# KiCad board RSTU.kicad_pcb (continued)
## Routing (per net, layer and track width the routed paths; a pad name or vN(x,y) marks a point on that pad's centre or on a via; arc(x,y) is an arc through that point) (continued)
P503_11: length 122.6
  Top w0.25: v1(219.16,6.59) 219.16,7.48 220.56,8.88 220.56,30.85 219.54,31.86 219.54,37.45 220.56,38.47 220.56,51.04 221.32,51.8 v1(221.32,56.63)
  Bottom w0.25: v1(221.32,56.63) 221.32,56.25 220.17,55.1 199.73,55.1 197.82,57.01 184.87,57.01 184.11,57.77 183.72,57.77 182.71,58.79 182.58,58.79 182.58,59.55 U30.6 ; v1(219.16,6.59) 219.03,6.59 217.89,5.45 210.01,5.45 209.89,5.57 193.76,5.57 J_K503.11
P503_12: length 49.5
  Top w0.25: J_K503.12 194.65,12.3 v1(194.77,12.43) ; v1(213.95,11.8) 213.7,12.05 213.7,30.21 214.97,31.48 U35.8
  Bottom w0.25: v1(213.95,11.8) 213.7,12.05 195.16,12.05 v1(194.77,12.43)
P503_13: length 36.4
  Top w0.25: U35.6 212.43,25.64 212.3,25.51 212.17,25.51 211.03,24.37 211.03,19.16 210.27,18.4 210.52,18.15 210.52,10.4 v1(210.78,10.15) ; J_K503.13 v1(197.19,10.53)
  Bottom w0.25: v1(197.19,10.53) 197.44,10.27 210.65,10.27 v1(210.78,10.15)
P503_14: length 24.6
  Top w0.25: v1(203.54,8.62) 203.54,24.75 204.81,26.02 U35.3
  Bottom w0.25: v1(203.54,8.62) 201.12,8.62 J_K503.14
P503_15: length 163.5
  Top w0.25: U29.2 94.31,9.64 94.06,9.89 95.59,11.41 95.59,19.04 95.21,19.42 v1(95.21,20.31) ; v1(202.65,3.03) 202.27,3.41 J_K503.15 ; v1(80.35,19.67) 80.22,19.8 80.22,37.07 79.2,38.09 79.2,38.73
  Bottom w0.25: v1(95.21,20.31) 94.95,20.56 86.57,20.56 85.68,19.67 v1(80.35,19.67) ; U29.2 96.48,5.32 96.48,5.32 100.54,5.32 100.67,5.45 101.68,4.43 113.24,4.43 113.37,4.56 127.72,4.56 127.84,4.68 162.52,4.68 162.64,4.81 190.46,4.81 191.73,3.54 194.01,3.54 194.39,3.16 202.52,3.16 v1(202.65,3.03)
P503_16: length 54.1
  Top w0.25: U23.9 83.01,45.08 83.01,44.94 82.89,44.82 82.89,34.28 82.76,34.15 v1(82.76,33.01) ; U29.4 99.01,7.49 98.13,8.37 98.13,17.77 98.38,18.02 98.38,29.07 v1(98.51,29.2)
  Bottom w0.25: v1(82.76,33.01) 83.01,33.01 87.08,28.94 96.98,28.94 97.24,29.2 v1(98.51,29.2)
P503_17: length 217.7
  Top w0.25: v1(207.6,3.29) 207.35,3.54 J_K503.17 207.35,17.13 207.47,17.26 207.47,18.02 208.62,19.16 208.62,23.61 211.16,26.15 211.16,29.45 213.57,31.86 213.57,39.99 213.44,40.12 213.44,53.71 212.17,54.98 U33.5 v1(212.17,62.85) ; U29.1 91.77,6.47 94.06,4.18 v1(94.44,4.18)
  Bottom w0.25: U30.10 179.53,67.05 183.6,62.98 212.05,62.98 v1(212.17,62.85) ; v1(94.44,4.18) 95.33,4.18 95.84,3.67 163.91,3.67 164.29,4.05 189.95,4.05 192.36,1.64 205.7,1.64 207.35,3.29 v1(207.6,3.29)
P503_18: length 64.5
  Top w0.25: v1(218.9,57.77) 218.52,57.39 218.52,52.06 219.16,51.42 219.16,39.48 217.51,37.83 217.51,10.91 218.01,10.4 v1(218.01,9.38)
  Bottom w0.25: U33.6 215.35,59.55 215.35,58.91 215.6,58.91 215.98,58.53 216.11,58.53 216.62,58.02 217.38,58.02 217.76,57.64 217.89,57.77 v1(218.9,57.77) ; v1(218.01,9.38) 217.89,9.51 212.55,9.51 211.41,8.37 211.03,8.37 J_K503.18
P503_19: length 163.5
  Top w0.25: v1(107.4,18.91) 107.27,18.78 107.27,16.11 107.01,15.86 U29.8 ; U34.11 217.25,50.91 218.4,49.77 218.4,40.24 216.87,38.72 216.87,24.62 216.11,23.86 216.11,10.91 J_K503.19
  Bottom w0.25: v1(107.4,18.91) 108.29,18.02 108.92,18.02 110.83,16.11 128.1,16.11 130.13,14.08 133.56,14.08 134.32,14.84 155.4,14.84 156.17,14.08 174.83,14.08 177.88,17.13 v1(216.11,17.13)
P503_29: length 72.8
  Top w0.25: J_K503.29 194.65,32.88 191.47,36.05 191.47,63.99 v1(190.46,65.01)
  Bottom w0.25: v1(190.46,65.01) 214.59,65.01 214.71,64.88 216.24,66.41 216.62,66.41 216.62,67.17 U33.8
P503_30: length 160.3
  Top w0.25: v1(182.2,31.73) 182.2,32.62 180.82,34 180.82,46.7 180.8,46.72 180.8,53.96 179.53,55.23 179.53,58.41 179.53,58.41 U30.5 179.53,64.5 180.68,65.64 180.68,66.29 U30.9 ; U28.9 104.73,29.32 103.33,27.92 103.33,21.7 v1(103.46,21.58) ; J_K503.30 192.11,22.84 189.57,25.39 189.57,31.35 v1(189.44,31.48)
  Bottom w0.25: v1(103.46,21.58) 117.81,21.58 117.94,21.7 121.24,18.4 136.1,18.4 137.37,19.67 147.15,19.67 147.78,19.04 156.67,19.04 157.94,20.31 159.59,20.31 160.23,19.67 166.2,19.67 166.45,19.92 167.47,19.92 168.23,20.69 190.96,20.69 192.11,21.83 J_K503.30 ; v1(182.2,31.73) 182.45,31.48 v1(189.44,31.48)
P503_32: length 31.2
  Top w0.25: v1(188.42,42.4) 188.42,37.2 188.81,36.81 187.92,35.93 187.92,23.35 J_K503.32
  Bottom w0.25: v1(188.42,42.4) 187.66,41.64 180.68,41.64 180.3,42.02 180.3,42.53 U31.6
P503_33: length 44.1
  Top w0.25: J_K503.33 184.49,23.73 186.52,25.77 186.52,37.45 185.88,38.09 185.88,40.24 187.03,41.39 187.03,45.32 v1(187.41,45.7)
  Bottom w0.25: v1(187.41,45.7) 171.79,45.7 169.5,43.42 U31.2
P503_34: length 54.9
  Top w0.25: J_K503.34 183.22,23.73 183.34,23.73 185.76,26.15 185.76,36.81 185.12,37.45 185.12,40.75 186.01,41.64 186.01,46.59 187.53,48.12 187.53,54.09 v1(186.65,54.98)
  Bottom w0.25: v1(186.65,54.98) 185.63,54.98 185.38,54.72 173.31,54.72 173.18,54.85 173.06,54.85 U31.15
P503_35: length 32.3
  Top w0.25: J_K503.35 179.79,22.84 179.79,25.39 v1(180.17,25.77) ; U31.11 178.26,49.9 178.26,26.91 177.76,26.4 v1(177.76,25.51)
  Bottom w0.25: v1(177.76,25.51) 179.91,25.51 v1(180.17,25.77)
P503_36: length 6.9
  Top w0.25: J_K503.36 178.77,24.37 178.77,26.91 179.42,27.56 U32.6
P503_37: length 10.5
  Top w0.25: J_K503.37 174.33,26.4 v1(174.45,26.53)
  Bottom w0.25: U32.2 170.26,27.31 170.26,26.91 170.39,26.91 171.03,26.27 173.44,26.27 173.69,26.53 v1(174.45,26.53)
P503_38: length 22.5
  Top w0.25: v1(165.44,23.86) 164.67,24.62 164.67,32.12 v1(165.44,32.88)
  Bottom w0.25: v1(165.44,32.88) 166.33,32.88 167.47,34.02 167.98,34.02 169.26,35.31 U32.15 ; v1(165.44,23.86) 165.69,24.12 170.64,24.12 170.64,23.61 J_K503.38
P503_39: length 26.4
  Top w0.25: J_K503.39 169.25,24.12 169.12,24.24 170.64,25.77 v1(170.64,38.21)
  Bottom w0.25: U32.11 178.26,37.09 178.26,37.32 176.23,37.32 175.22,38.34 170.77,38.34 v1(170.64,38.21)
PIN01: length 41.7
  Top w0.25: J_K502.1 6.81,72.38 8.08,71.11 8.72,71.11 9.99,69.84 10.75,69.84 12.15,68.44 12.53,68.44 13.44,67.53 13.44,62.62 11.89,61.07 11.89,60.95 12.03,60.81 U12.3 12.03,49.26 13.16,48.12 13.16,42.53 11.89,41.26 U13.3
PIN02: length 43.4
  Top w0.25: U13.4 14.43,41.13 15.83,42.53 15.83,48.37 17.23,49.77 17.11,49.89 U12.5 17.11,60.82 17.36,61.07 17.36,61.33 18.37,62.34 18.37,66.79 18.24,66.79 16.72,68.31 15.96,68.31 14.94,69.33 14.43,69.33 13.29,70.47 12.27,70.47 11.13,71.61 10.5,71.61 9.35,72.76 J_K502.2
PIN03: length 45.1
  Top w0.25: U13.7 22.05,41.64 23.2,42.78 23.2,48.75 22.18,49.77 22.18,51.93 22.19,51.93 U12.7 22.19,60.69 22.18,60.69 23.58,62.09 23.58,66.03 22.44,67.17 22.18,67.17 21.29,68.06 20.66,68.06 19.77,68.95 19.01,68.95 18.12,69.84 17.48,69.84 16.97,70.34 16.72,70.34 16.34,70.72 15.96,70.72 15.2,71.49 14.56,71.49 14.05,71.99 13.67,71.99 13.16,72.5 12.66,72.5 11.89,73.26 J_K502.3
PIN04: length 47.4
  Top w0.25: J_K502.4 14.43,73.9 15.07,73.26 16.09,73.26 17.23,72.12 17.48,72.12 17.99,71.61 18.88,71.61 19.9,70.6 20.78,70.6 21.67,69.71 22.44,69.71 23.2,68.95 23.83,68.95 24.85,67.93 25.86,67.93 26.75,67.04 27.52,67.04 28.4,66.15 28.53,66.15 28.53,62.6 27.26,61.33 27.26,61.07 27.27,61.07 U12.9 27.27,49.9 25.99,48.63 25.99,43.04 24.59,41.64 U13.8
PIN05: length 80.7
  Top w0.25: J_K502.5 16.97,74.55 19.47,72.05 20.6,72.05 22.31,70.34 23.32,70.34 24.59,69.07 25.48,69.07 25.55,69 25.81,69 27.01,67.8 27.64,67.8 28.4,67.04 29.55,67.04 31.71,64.88 31.71,51.93 v1(32.6,51.04)
  Bottom w0.25: v1(32.6,51.04) 33.61,51.04 33.87,51.29 71.58,51.29 73.74,49.13 74.25,49.13 75.65,47.74 76.03,47.74 76.03,46.98 U23.11
PIN06: length 167.1
  Top w0.25: v1(93.17,52.56) 93.17,23.35 93.3,23.23 93.3,19.42 94.31,18.41 U29.13 ; U16.13 44.65,86.47 43.9,86.47 43.9,84.31 43.64,84.06 44.15,83.55 v1(44.15,78.34) ; v1(33.48,53.45) 33.48,65.26 31.96,66.79 30.44,66.79 29.04,68.18 28.91,68.18 28.28,68.82 27.39,68.82 26.75,69.45 25.74,69.45 24.09,71.11 22.56,71.11 21.16,72.5 20.53,72.5 19.9,73.14 19.64,73.14 19.51,73.26 J_K502.6
  Bottom w0.25: v1(93.17,52.56) 34.37,52.56 v1(33.48,53.45) ; J_K502.6 21.93,78.09 21.93,78.72 22.69,79.49 40.72,79.49 41.99,78.22 44.02,78.22 v1(44.15,78.34)
PIN07: length 106.8
  Top w0.25: U24.3 73.87,23.61 75.27,25 75.14,25.13 75.14,31.23 74.12,32.25 74.12,38.73 72.99,39.86 72.6,39.86 70.19,42.28 70.19,50.28 70.44,50.53 70.3,50.68 70.3,72.52 69.3,73.52 v1(69.3,74.28)
  Bottom w0.25: J_K502.7 22.44,76.06 22.44,76.95 22.82,76.95 23.96,78.09 40.85,78.09 41.99,76.95 59.52,76.95 60.79,75.68 61.17,75.68 62.19,74.66 68.92,74.66 v1(69.3,74.28)
PIN08: length 31.9
  Top w0.25: J_K502.8 23.45,76.82 22.94,76.82 20.78,78.98 20.78,91.81 18.62,93.97 18.62,99.55 20.66,101.59 21.04,101.59 22.44,102.98
PIN09: length 23.4
  Top w0.25: 19.9,95.36 19.9,94.6 21.29,93.2 21.8,93.2 22.69,92.31 22.94,92.31 23.32,91.93 23.32,79.11 24.72,77.71 24.85,77.71 25.74,76.82 25.99,76.82 J_K502.9
PIN10: length 62.5
  Top w0.25: v1(46.06,69.84) 46.31,69.58 46.31,68.95 46.69,68.57 46.69,62.59 46.44,62.34 46.69,62.09 46.69,55.48 46.44,55.23 46.44,52.82 47.58,51.67 47.58,50.91 47.85,50.64 U18.13 47.85,44.07 46.18,42.4 46.18,42.02 46.43,41.77 46.43,37.32 46.18,37.07 46.31,36.94 46.31,35.29 47.58,34.02 47.58,30.34 47.96,29.96 U19.13
  Bottom w0.25: J_K502.10 30.56,74.79 31.07,74.79 32.34,73.52 32.6,73.52 34.63,71.49 34.88,71.49 36.15,70.22 45.68,70.22 v1(46.06,69.84)
PIN11: length 66.6
  Top w0.25: v1(54.06,68.69) 54.31,68.44 54.31,54.22 54.69,53.83 54.82,53.83 54.82,47.51 U18.10 55.47,46.23 54.95,45.7 54.95,43.8 53.93,42.78 53.93,42.15 54.05,42.03 54.05,33.13 53.93,33.01 55.2,31.73 55.2,30.72 55.58,30.34 U19.10
  Bottom w0.25: J_K502.11 36.15,71.74 50.76,71.74 53.8,68.69 v1(54.06,68.69)
PIN12: length 106.7
  Top w0.25: U18.3 44.79,38.72 44.79,35.67 46.18,34.28 46.18,34.02 46.55,33.66 46.55,26.51 46.44,26.4 46.44,26.15 45.17,24.88 45.17,23.48 45.42,23.23 U19.3 ; v1(63.71,35.42) 63.58,35.55 63.58,49.13 62.44,50.28 62.44,63.74 62.31,63.87 62.31,68.82 63.2,69.71 v1(63.2,70.6)
  Bottom w0.25: v1(63.2,70.6) 62.95,70.85 53.8,70.85 52.28,72.38 38.31,72.38 37.42,73.26 37.42,73.39 37.29,73.39 36.02,74.66 35.77,74.66 J_K502.12 ; v1(63.71,35.42) 63.2,35.42 62.82,35.8 58.63,35.8 57.49,36.94 47.58,36.94 47.45,36.81 46.18,38.09 45.93,38.09 45.93,38.62 U18.3
PIN13: length 91.7
  Top w0.25: v1(61.3,72.63) 60.92,72.25 60.92,63.61 61.3,63.23 61.3,61.96 60.92,61.58 60.92,38.59 61.04,38.59 v1(62.31,37.32) ; U18.6 52.93,38.73 52.41,38.21 52.53,38.09 52.53,32.75 54.17,31.12 54.17,25.75 54.06,25.64 54.06,25.51 52.53,23.99 52.53,22.34 53.04,21.83 U19.6
  Bottom w0.25: U18.6 54.46,37.7 61.93,37.7 v1(62.31,37.32) ; v1(61.3,72.63) 60.54,72.63 60.15,73.01 49.36,73.01 48.98,73.39 39.45,73.39 39.2,73.65 39.2,73.77 J_K502.13
PIN15: length 51.1
  Top w0.25: v1(54.06,89.52) 54.29,89.29 54.29,84.42 53.93,84.06 53.93,83.93 52.91,82.92 52.91,81.14 52.79,81.01 53.16,80.64 U16.5 52.79,78.22 52.79,72.5 56.85,68.44 56.85,62.47 56.47,62.09 56.47,61.96 55.07,60.56 55.07,58.15 55.72,57.5 U17.7
  Bottom w0.25: 39.83,90.92 40.6,90.92 42.12,89.39 52.91,89.39 53.04,89.52 v1(54.06,89.52)
PIN16: length 53
  Top w0.25: U16.10 53.16,85.32 51.52,83.68 51.52,81.39 51.26,81.14 51.75,80.65 51.75,79.08 51.26,78.6 51.26,69.96 51.39,69.84 51.39,68.06 51.77,67.68 51.77,63.61 49.74,61.58 49.1,61.58 47.45,59.93 47.45,58.15 48.1,57.5 U17.4
  Bottom w0.25: 37.29,90.92 41.99,86.22 41.99,85.96 51.01,85.96 52.03,86.98 52.03,87.11 52.9,87.11 U16.10
PIN17: length 49.7
  Top w0.25: U16.9 55.7,87.1 55.07,86.47 55.07,83.17 56.47,81.77 56.47,81.65 56.83,81.29 56.83,77.94 56.47,77.58 56.6,77.45 56.6,71.87 57.61,70.85 57.61,66.03 58.26,65.38 U17.9
  Bottom w0.25: 34.75,90.92 40.34,85.33 40.34,84.69 52.28,84.69 54.06,86.47 54.8,86.47 U16.9
PIN18: length 53.7
  Top w0.25: 32.21,90.92 v1(32.21,94.47) ; v1(51.26,93.58) 51.75,93.1 51.75,91.91 51.39,91.55 51.39,88.25 51.75,87.89 51.75,84.93 50.25,83.42 50.25,81.01 50.12,80.88 50.62,80.38 U16.4 50.62,78.97 50.25,78.6 50.25,64.91 U17.12
  Bottom w0.25: v1(32.21,94.47) 50.38,94.47 v1(51.26,93.58)
PIN19: length 89.2
  Top w0.25: v1(61.8,91.81) 61.8,91.55 62.95,90.41 62.95,76.82 64.09,75.68 64.09,69.07 63.07,68.06 63.07,51.67 63.46,51.67 v1(65.23,49.9)
  Bottom w0.25: 29.67,90.92 30.05,91.3 30.05,91.93 30.31,91.93 31.2,92.82 41.49,92.82 42.63,91.68 42.88,91.68 43.01,91.81 v1(61.8,91.81) ; v1(65.23,49.9) 65.49,50.15 70.69,50.15 73.36,47.48 73.74,47.48 74.12,47.11 74.12,46.35
PIN20: length 191.8
  Top w0.25: v1(4.02,83.68) 1.73,81.39 1.73,37.07 v1(3.13,35.67) ; U24.8 82.63,27.54 v1(82.63,16.5)
  Bottom w0.25: 27.13,90.92 27.13,90.28 24.98,88.12 24.59,88.12 24.59,87.74 20.53,83.68 v1(4.02,83.68) ; U24.8 83.4,29.58 83.4,30.21 83.27,30.21 79.71,33.77 66.25,33.77 64.09,31.61 51.39,31.61 51.26,31.48 49.99,32.75 45.93,32.75 42.76,35.93 29.8,35.93 28.4,37.32 4.27,37.32 3.13,36.18 v1(3.13,35.67) ; v1(82.63,16.5) 95.71,16.5 95.71,16.25 U29.12
PIN21: length 232.3
  Top w0.25: U17.1 40.48,57.63 40.09,58.02 40.09,59.8 41.61,61.32 41.61,65.9 38.56,68.95 38.44,68.95 38.44,77.07 38.82,77.45 40.34,77.45 40.6,77.2 41.61,77.2 42.37,76.44 44.79,76.44 44.91,76.31 45.8,77.2 46.31,77.2 46.67,77.56 46.67,80.53 46.18,81.01 46.44,81.27 46.44,83.17 47.45,84.19 47.45,86.74 U16.12 48.08,88.64 47.58,89.14 47.58,92.44 v1(47.71,92.57) ; v1(4.27,33.77) 4.53,34.02 4.53,36.69 2.88,38.34 2.88,80.12 5.29,82.53 5.29,84.31 4.66,84.95 4.66,85.71 v1(4.91,85.96)
  Bottom w0.25: v1(47.71,92.57) 47.2,92.57 46.69,93.08 42.37,93.08 41.74,93.71 36.53,93.71 36.4,93.58 30.94,93.58 30.69,93.33 26.88,93.33 26.75,93.2 26.75,93.08 22.05,88.38 22.05,88 20.28,86.22 5.16,86.22 v1(4.91,85.96) ; U24.9 81.49,29.83 79.08,32.24 66.5,32.5 64.6,30.59 50.76,30.59 49.49,31.86 45.55,31.86 42.25,35.16 29.17,35.16 28.4,35.93 6.18,35.93 4.27,34.02 v1(4.27,33.77)
PIN22: length 158
  Top w0.25: v1(5.16,25.77) 5.54,26.15 5.54,37.96 3.77,39.74 3.89,39.86 3.89,79.49 4.02,79.49 6.31,81.77 6.18,81.9 v1(6.18,87.87)
  Bottom w0.25: v1(5.16,25.77) 6.43,25.77 6.94,25.26 38.31,25.26 39.45,26.4 44.53,26.4 45.93,25 75.27,25 U24.5 ; 22.05,90.92 18.88,87.74 6.31,87.74 v1(6.18,87.87)
PIN23: length 56.7
  Top w0.25: 19.51,90.92 19.51,86.85 19.26,86.6 19.13,86.6 13.04,80.5 13.16,80.38 13.16,73.9 13.67,73.39 13.8,73.39 15.07,72.12 16.34,72.12 17.74,70.72 18.75,70.72 19.9,69.58 20.66,69.58 22.31,67.93 23.58,67.93 25.23,66.28 26.01,66.28 U12.12 27.27,62.73 27.13,62.6 27.01,62.6 26.12,61.71 26.12,54.85 24.98,53.71 24.98,53.33 24.59,52.94 U13.13
PIN24: length 56
  Top w0.25: U13.14 20.91,48.25 20.53,48.25 20.53,48.5 19.77,49.26 19.77,53.96 21.04,55.23 21.04,61.33 21.16,61.45 21.16,61.96 22.19,62.98 U12.14 22.19,65.77 20.78,67.17 20.28,67.17 19.77,67.68 19.01,67.68 17.74,68.95 16.97,68.95 16.34,69.58 15.58,69.58 14.18,70.98 13.55,70.98 12.66,71.87 11.77,71.87 10.62,73.01 10.62,79.74 12.66,81.77 12.66,81.9 14.94,84.19 15.07,84.19 16.09,85.2 16.09,85.33 16.97,86.22 16.97,90.92
PIN25: length 53.5
  Top w0.25: 14.43,90.92 14.43,85.84 14.31,85.71 14.31,85.46 13.67,84.82 13.55,84.82 12.02,83.3 11.51,83.3 8.47,80.25 8.21,80.25 8.21,76.78 8.08,76.66 8.08,72.63 9.73,70.98 10.37,70.98 11.39,69.96 12.02,69.96 13.55,68.44 14.18,68.44 14.94,67.68 15.96,67.68 17.11,66.53 U12.16 17.11,62.6 15.96,61.45 15.96,53.83 14.43,52.31 U13.17
PIN26: length 53.6
  Top w0.25: U13.18 9.61,49.39 9.73,49.52 9.73,53.58 10.88,54.72 10.88,61.58 11.13,61.58 12.03,62.47 U12.18 12.03,67.43 12.15,67.55 10.62,69.07 9.73,69.07 8.85,69.96 8.21,69.96 7.07,71.11 6.69,71.11 6.18,71.61 5.42,71.61 5.04,71.99 5.04,79.11 5.54,79.11 11.89,85.46 11.89,90.92
PIN27: length 7.8
  Bottom w0.25: U11.1 13.67,95.36 12.53,94.22 11.77,94.22 9.35,91.81 9.35,90.92
UNK1: length 14.9
  Bottom w0.25: U19.1 39.58,21.32 39.07,21.83 38.95,21.7 35.39,21.7 33.61,19.92 28.91,19.92 27.51,21.33 U14.6
UNK2: length 19.2
  Top w0.25: U18.1 39.83,38.09 39.83,32.24 v1(39.96,32.12)
  Bottom w0.25: U14.8 31.59,28.95 31.83,29.2 37.42,29.2 39.96,31.73 v1(39.96,32.12)
Net-(U1-Pad3): length 17.6
  Bottom w0.25: 138.38,82.93 138.25,82.93 136.99,84.19 125.56,84.19 125.56,83.93 124.54,82.92 122,82.92
Net-(U1-Pad6): length 7.6
  Top w0.25: 129.62,82.92 129.62,90.54
Net-(U1-Pad10): length 21.3
  Top w0.25: v1(140.93,86.6) 140.92,86.59 140.92,82.93 ; v1(126.96,87.11) 127.08,87.23 127.08,90.54
  Bottom w0.25: v1(126.96,87.11) 140.42,87.11 v1(140.93,86.6)
Net-(U5-Cp): length 51.5
  Top w0.25: v1(135.21,50.15) 135.47,50.4 135.47,64.12 136.23,64.88 136.23,74.41 136.1,74.41 134.58,75.93 134.58,89.39 135.34,90.16 v1(135.34,90.41)
  Bottom w0.25: 129.62,48.37 131.4,50.15 131.4,50.28 131.53,50.15 v1(135.21,50.15) ; v1(135.34,90.41) 135.21,90.54 132.16,90.54
Net-(U5-D0): length 24
  Top w0.25: 111.84,40.75 111.84,39.74 113.62,37.96 123.02,37.96 124.29,36.69 124.29,32.12 122.64,30.47 122.64,30.08 122.89,29.84 122.89,28.19
Net-(U5-D1): length 30
  Top w0.25: 114.38,40.75 114.89,40.24 114.89,39.61 115.91,38.59 124.67,38.59 126.7,36.56 v1(126.7,26.15)
  Bottom w0.25: 130.51,28.19 130.13,27.81 130.13,26.91 129.75,26.91 128.99,26.15 v1(126.7,26.15)
Net-(U5-D2): length 15.2
  Top w0.25: 133.05,35.81 130.14,38.72 126.57,38.72 125.81,39.48 125.81,41.26 125.05,42.02 123.27,42.02 122,40.75
Net-(U5-D3): length 14.6
  Top w0.25: v1(129.37,34.02) 129.24,34.15 129.24,36.56 128.1,37.7 126.7,37.7 124.54,39.86 124.54,40.75
  Bottom w0.25: 125.43,35.81 125.94,35.3 125.94,34.66 126.32,34.66 126.96,34.02 v1(129.37,34.02)
Net-(U5-D4): length 43.6
  Top w0.25: v1(147.53,46.47) 147.28,46.21 147.28,38.47 148.67,37.07 148.67,31.61 147.4,30.34 147.4,28.31
  Bottom w0.25: 124.54,48.37 126.19,46.72 134.58,46.72 135.34,45.96 147.02,45.96 v1(147.53,46.47)
Net-(U5-D5): length 52.1
  Top w0.25: 155.02,28.31 155.02,28.69 154.64,29.07 154.64,33.26 153.75,34.15 153.75,37.58 154.64,38.47 154.64,38.59 154.9,38.85 v1(154.9,44.82)
  Bottom w0.25: v1(154.9,44.82) 154.39,44.82 154.13,45.07 134.83,45.07 134.7,44.94 133.81,45.83 124.67,45.83 123.65,46.85 123.4,46.85 123.4,46.98 122,48.37
Net-(U5-D6): length 56.3
  Top w0.25: 114.38,48.37 114.38,43.55 114.13,43.29 114.38,43.04 v1(114.38,42.53)
  Bottom w0.25: v1(114.38,42.53) 120.22,42.53 120.22,41.9 120.73,41.39 120.73,38.47 121.62,37.58 122.26,37.58 122.64,37.2 134.19,37.2 134.32,37.07 134.32,36.81 135.72,35.42 135.72,35.29 136.73,34.28 136.99,34.53 148.04,34.53 148.42,34.15 148.55,34.28 156.42,34.28 157.31,35.16 157.31,35.67 157.56,35.93
Net-(U5-D7): length 47.1
  Top w0.25: v1(149.82,42.28) 149.94,42.15 149.94,35.93
  Bottom w0.25: v1(149.82,42.28) 149.31,42.28 147.53,44.05 147.4,43.93 133.31,43.93 132.16,45.07 123.4,45.07 122.13,46.34 114.13,46.34 113.62,46.85 113.24,46.85 113.24,46.98 111.84,48.37
Net-(U5-Q0): length 66
  Top w0.25: 126.96,61.83 126.7,61.58 126.7,60.82 125.69,59.8 125.69,43.29 126.19,42.78 v1(126.32,42.78) ; v1(115.78,59.67) 119.84,59.67 120.48,60.31 120.48,66.41 119.48,67.41 119.48,68.07
  Bottom w0.25: 109.3,40.75 109.56,41.01 109.56,42.28 112.6,45.32 122.13,45.32 124.29,43.17 125.94,43.17 v1(126.32,42.78) ; 126.96,61.83 124.8,59.67 124.8,59.55 115.91,59.55 v1(115.78,59.67)
Net-(U5-Q1): length 44.4
  Top w0.25: 116.92,40.75 116.92,42.78 116.67,43.04 117.94,44.31 117.94,44.82 118.05,44.92 118.05,57.12 v1(118.19,57.26) ; 129.5,54.21 129.5,58.79 129.37,58.91 129.37,59.04 128.1,60.31 128.1,67.07 127.1,68.07
  Bottom w0.25: v1(118.19,57.26) 118.32,57.26 119.34,58.28 124.92,58.28 126.32,56.88 v1(129.5,56.88)
Net-(U5-Q2): length 41.4
  Top w0.25: 119.46,40.75 119.46,42.66 119.21,42.91 120.61,44.31 120.61,49.9 121.88,51.17 121.88,57.14 123.15,58.41 v1(123.15,72.63)
  Bottom w0.25: v1(123.15,72.63) 126.58,72.63 129.64,75.69
Net-(U5-Q3): length 55.9
  Top w0.25: v1(128.35,49.9) 128.35,42.4 128.1,42.15 128.1,41.77 127.08,40.75 ; 122.02,75.69 120.88,76.82 120.86,76.82 120.48,77.2 119.21,77.2 118.95,77.45 118.57,77.07 118.07,77.07 118.07,72.88 117.94,72.76 117.94,72.63 115.65,70.34 115.65,69.32 115.53,69.19 115.53,65.14 114.26,63.87 114.26,58.28 114,58.02 114.13,58.02 115.53,56.63 115.53,51.55 v1(116.92,50.15)
  Bottom w0.25: v1(128.35,49.9) 117.18,49.9 v1(116.92,50.15)
Net-(U6-Q0): length 31.2
  Top w0.25: v1(139.91,59.29) 139.66,59.04 139.66,44.56 138.39,43.29 138.39,40.75
  Bottom w0.25: v1(139.91,59.29) 139.4,58.79 132.29,58.79 132.29,59.04 129.5,61.83
Net-(U6-Q1): length 28.7
  Top w0.25: 132.04,54.21 132.04,44.94 130.38,43.29 v1(130.38,42.91)
  Bottom w0.25: v1(130.38,42.91) 130.64,42.66 144.35,42.66 144.35,42.4 146.01,40.75
Net-(U6-Q2): length 43.8
  Top w0.25: 148.55,40.75 148.55,43.42 148.42,43.55 148.42,43.8 149.94,45.32 v1(149.94,52.56)
  Bottom w0.25: v1(149.94,52.56) 149.56,52.94 120.61,52.94 119.34,54.21
Net-(U6-Q3): length 52.8
  Top w0.25: v1(154.9,50.91) 154.9,46.72 156.29,45.32 156.17,45.2 156.17,40.75
  Bottom w0.25: v1(154.9,50.91) 148.04,50.91 146.89,52.06 116.41,52.06 114.26,54.21
Net-(U6-Q4): length 14.9
  Top w0.25: 156.17,48.37 156.17,51.17 156.04,51.29 156.04,51.67 154.9,52.82 154.9,58.28 153.75,59.42 153.77,59.44 153.77,62.23
Net-(U6-Q5): length 14.5
  Top w0.25: 156.31,54.61 157.18,53.73 157.18,50.15 v1(157.31,50.02)
  Bottom w0.25: v1(157.31,50.02) 156.93,49.64 149.69,49.64 149.69,49.52 148.55,48.37
Net-(U6-Q6): length 7.2
  Top w0.25: 146.01,48.37 146.01,51.29 143.61,53.69 143.61,54.61
Net-(U6-Q7): length 6.3
  Top w0.25: 138.39,48.37 138.53,48.51 138.53,54.61
Net-(U7-C4): length 29.6
  Bottom w0.25: 119.34,61.83 121.11,63.61 132.92,63.61 135.97,60.56 144.74,60.56 144.86,60.69 144.86,60.94 146.15,62.23
Net-(U7-S1): length 23.1
  Top w0.25: v1(130.89,69.71) 130.77,69.58 130.77,64.88 132.04,63.61 132.04,61.83
  Bottom w0.25: v1(130.89,69.71) 118.58,69.71 116.94,68.07
Net-(U7-S3): length 29.5
  Top w0.25: v1(124.67,56.63) 124.29,57.01 124.29,59.55 125.56,60.82 125.56,62.03 125.69,62.15 125.69,74.28 125.69,74.28 127.1,75.69
  Bottom w0.25: v1(124.67,56.63) 124.42,56.88 119.84,56.88 118.83,55.87 118.45,55.87 116.8,54.21
Net-(U7-S4): length 15
  Top w0.25: 116.8,61.83 117.94,62.98 117.94,63.48 118.19,63.74 118.19,70.47 119.48,71.76 119.48,75.69
Net-(U10-I0a): length 19.5
  Top w0.25: v1(156.42,64.5) 156.42,62.34 156.31,62.23
  Bottom w0.25: 140.93,68.18 141.81,67.3 141.81,67.04 143.47,65.39 144.1,65.39 144.99,64.5 v1(156.42,64.5)
Net-(U10-I0b): length 14.9
  Top w0.25: 151.23,54.61 150.09,55.74 149.82,55.74 149.82,63.61 148.55,64.88 148.55,68.18
Net-(U10-I0c): length 16
  Top w0.25: 143.47,75.8 144.61,74.66 144.61,65.52 143.47,64.37 v1(143.47,63.74)
  Bottom w0.25: 141.07,62.23 142.58,63.74 v1(143.47,63.74)
Net-(U10-I0d): length 29
  Top w0.25: 141.07,54.61 141.07,56.99 140.93,57.14 142.32,58.53 v1(142.32,72.63)
  Bottom w0.25: v1(142.32,72.63) 142.45,72.76 145.12,72.76 146.51,74.15 149.94,74.15 151.09,75.3 151.09,75.8
Net-(U10-I1a): length 52.9
  Top w0.25: v1(151.21,58.53) 151.23,58.55 151.23,63.6 151.09,63.74 151.09,63.87 149.94,65.01 150.07,65.14 v1(150.07,66.15) ; v1(127.08,59.29) 128.1,58.28 128.1,52.06 126.96,50.91 126.96,50.15 127.08,50.02 127.08,48.37
  Bottom w0.25: 143.47,68.18 144.99,66.66 144.99,66.53 145.62,65.9 149.82,65.9 v1(150.07,66.15) ; v1(127.08,59.29) 127.21,59.42 130.26,59.42 131.78,57.9 143.08,57.9 143.72,58.53 v1(151.21,58.53)
Net-(U10-I1b): length 56.4
  Top w0.25: 153.77,54.61 153.77,57.63 153.63,57.77 153.63,58.02 152.48,59.17 152.48,66.03 152.23,66.28 152.23,67.04 151.09,68.18 ; v1(120.48,55.61) 120.48,51.42 119.21,50.15 119.21,50.02 119.46,49.77 119.46,48.37
  Bottom w0.25: v1(120.48,55.61) 120.6,55.73 152.11,55.73 152.23,55.61 152.76,55.61 153.77,54.61
Net-(U10-I1c): length 61.9
  Top w0.25: v1(137.5,50.15) 137.5,50.53 136.73,51.29 136.73,60.31 136.86,60.44 136.86,60.56 139.66,63.35 139.66,72.5 140.54,73.39 v1(140.54,73.52)
  Bottom w0.25: 109.3,48.37 112.35,51.42 136.23,51.42 v1(137.5,50.15) ; 146.01,75.8 144.74,74.53 144.74,74.03 144.61,73.9 140.93,73.9 v1(140.54,73.52)
Net-(U10-I1d): length 78.1
  Top w0.25: v1(156.17,57.01) 156.17,58.02 155.53,58.66 155.53,59.04 155.02,59.04 154.9,59.17 154.9,74.28 154.77,74.41 154.77,74.66 153.63,75.8 ; v1(112.86,56.37) 112.86,55.87 112.48,55.48 112.6,55.36 112.6,51.93 114.51,50.02 115.27,50.02 116.92,48.37 ; 146.15,54.61 146.15,56.99 v1(146.13,57.01)
  Bottom w0.25: v1(156.17,57.01) 131.27,57.01 130.13,58.15 126.45,58.15 125.69,58.91 117.3,58.91 116.54,58.15 115.65,58.15 114.51,57.01 113.49,57.01 v1(112.86,56.37)
Net-(U10-S): length 55.9
  Top w0.25: 146,82.93 147.4,81.52 147.4,81.01 148.55,79.87 149.05,79.87 150.45,78.47 150.7,78.47 150.96,78.72 v1(151.34,78.72) ; v1(140.93,78.22) 140.54,78.22 139.66,77.33 139.66,74.53 138.39,73.26 138.39,68.18
  Bottom w0.25: v1(140.93,78.22) 150.83,78.22 v1(151.34,78.72) ; 138.39,68.18 137.5,68.18 136.99,68.69 136.48,68.69 134.19,70.98 128.23,70.98 127.72,70.47 117.05,70.47 114.65,68.07 114.4,68.07
Net-(U11A-D): length 11.3
  Bottom w0.25: U11.6 26.24,94.09 25.99,94.09 25.86,93.97 19.13,93.97 17.74,95.36 17.36,95.36
Net-(U11A-Q): length 9.7
  Bottom w0.25: U11.5 24.98,96.25 23.32,97.9 23.32,99.05 21.16,101.2 21.16,101.71 19.9,102.98
Net-(U11B-Q): length 155.6
  Top w0.25: v1(88.6,26.78) 88.6,42.91 88.98,43.29 88.98,69.58 v1(87.33,71.23) ; U24.12 71.58,26.66 71.58,26.02 71.33,25.77 U24.2 ; U11.9 26.37,101.84 26.37,101.71 26.24,101.59 26.24,93.71 27.52,92.44 28.02,92.44 28.53,91.93 v1(28.53,88.25)
  Bottom w0.25: v1(28.53,88.25) 33.23,83.55 33.48,83.55 33.61,83.68 39.33,83.68 39.71,84.06 54.57,84.06 55.96,85.46 58.63,85.46 58.63,85.2 59.65,84.19 59.65,81.9 60.54,81.01 61.3,81.01 64.6,77.71 65.11,77.71 66.88,75.93 69.68,75.93 75.14,70.47 75.27,70.6 86.32,70.6 86.95,71.23 v1(87.33,71.23) ; U24.12 74,28.94 76.16,26.78 v1(88.6,26.78)
Net-(U12-I0a): length 74.5
  Top w0.25: v1(57.74,60.31) 56.73,59.29 56.6,59.29 56.85,59.04 56.85,55.61 56.34,55.1 56.6,54.85 56.6,44.18 56.34,43.93 56.34,43.42 55.07,42.15 55.07,39.63 U18.7
  Bottom w0.25: U12.2 9.49,57.9 12.27,60.69 14.05,60.69 14.18,60.82 33.48,60.82 33.61,60.69 34.25,60.69 35.01,59.93 45.8,59.93 47.33,61.45 48.22,61.45 48.47,61.71 55.84,61.71 57.23,60.31 v1(57.74,60.31)
Net-(U12-I0b): length 68.2
  Top w0.25: U12.11 29.81,62.6 28.53,61.33 28.53,43.8 29.17,43.17 v1(29.67,43.17) ; v1(55.84,35.55) 55.84,35.04 56.71,34.17 56.71,26.13 55.07,24.5 55.07,24.24 55.58,23.73 U19.7
  Bottom w0.25: v1(55.84,35.55) 55.71,35.42 45.68,35.42 43.39,37.7 38.56,37.7 38.44,37.83 37.93,37.83 36.66,39.1 36.28,39.1 32.09,43.29 31.83,43.29 31.71,43.17 v1(29.67,43.17)
Net-(U12-I1a): length 59.6
  Top w0.25: U18.4 47.85,39.85 47.33,40.37 47.45,40.5 47.45,41.9 48.72,43.17 48.72,43.55 48.98,43.8 48.98,51.04 47.45,52.56 47.45,54.47 49.23,56.24 49.23,59.67 v1(49.23,59.67)
  Bottom w0.25: U12.4 15.58,58.41 15.58,58.79 16.85,60.06 32.98,60.06 34.25,58.79 48.34,58.79 v1(49.23,59.67)
Net-(U12-I1b): length 69.6
  Top w0.25: v1(40.09,62.72) 40.09,62.47 38.69,61.07 38.69,51.67 41.1,49.26 41.23,49.26 41.35,49.14 41.35,43.8 v1(39.96,42.4) ; U19.4 47.71,21.58 47.71,24.88 49.09,26.26 49.09,36.2 48.72,36.56 48.98,36.81 48.98,41.39 v1(48.85,41.51)
  Bottom w0.25: v1(39.96,42.4) 40.85,41.51 41.99,41.51 42.25,41.26 48.6,41.26 v1(48.85,41.51) ; U12.13 25.74,64.01 25.74,63.99 26.75,62.98 39.83,62.98 v1(40.09,62.72)
Net-(U12-I2a): length 48.5
  Top w0.25: U18.9 57.49,47.38 57.49,53.33 57.87,53.71 v1(57.87,54.47)
  Bottom w0.25: v1(57.87,54.47) 57.87,54.34 56.73,53.2 37.42,53.2 37.04,53.58 36.02,53.58 35.13,54.47 34.75,54.47 33.48,55.74 21.8,55.74 21.16,56.37 20.67,56.37 U12.6
Net-(U12-I2b): length 70.8
  Top w0.25: U12.15 19.65,62.47 19.64,62.47 19.64,62.22 18.5,61.07 18.5,52.69 18.24,52.44 18.24,43.55 19.26,42.53 v1(19.64,42.53) ; U19.9 58.12,29.45 57.74,29.83 57.74,33.51 v1(57.87,33.64)
  Bottom w0.25: v1(19.64,42.53) 20.02,42.53 21.04,41.51 32.6,41.51 34.5,39.61 34.75,39.61 35.9,38.47 35.9,38.34 36.91,37.32 37.68,37.32 38.18,36.81 43.26,36.81 46.44,33.64 v1(57.87,33.64)
Net-(U12-I3a): length 35.6
  Top w0.25: v1(49.49,54.85) 49.49,54.09 49.99,53.58 49.99,47.25 U18.12
  Bottom w0.25: U12.8 26.49,59.17 32.34,59.17 36.53,54.98 49.36,54.98 v1(49.49,54.85)
Net-(U12-I3b): length 85.1
  Top w0.25: v1(11.01,67.17) 10.88,67.04 10.88,63.1 10.75,63.1 8.08,60.44 8.08,38.97 8.21,38.85 8.21,35.42 7.45,34.66 v1(7.2,34.66)
  Bottom w0.25: v1(7.2,34.66) 7.45,34.4 41.87,34.4 45.68,30.59 49.23,30.59 49.87,29.96 49.87,29.58 U19.12 ; U12.17 14.18,65.41 14.18,66.03 13.8,66.03 12.66,67.17 v1(11.01,67.17)
Net-(U12-OEa): length 145.8
  Top w0.25: U29.11 99.39,17.38 100.92,18.91 100.92,51.67 100.41,52.18 100.41,60.18 v1(100.29,60.31)
  Bottom w0.25: U12.1 7.32,57.78 7.32,58.79 8.34,59.8 9.1,59.8 11.26,61.96 19.51,61.96 19.64,62.09 33.87,62.09 34.88,61.07 44.91,61.07 46.44,62.6 57.74,62.6 59.77,60.56 71.33,60.56 73.49,62.72 97.87,62.72 v1(100.29,60.31)
Net-(U12-OEb): length 64.9
  Top w0.25: v1(48.6,68.95) 48.98,69.33 48.98,76.44 49.21,76.67 49.21,80.27 48.98,80.5 48.98,82.79 49.99,83.81 49.99,86.47 50.62,87.1 U16.11
  Bottom w0.25: v1(48.6,68.95) 48.09,68.95 47.84,68.69 36.15,68.69 34.63,70.22 9.86,70.22 8.72,69.07 8.72,67.55 9.35,66.91 9.35,66.41 9.49,66.27 U12.19
Net-(U13-Cp): length 51.6
  Bottom w0.25: 79.2,46.35 79.2,46.21 77.43,44.44 52.41,44.44 51.01,45.83 50.88,45.7 38.31,45.7 36.91,47.1 U13.11
Net-(U13-Q0): length 108.2
  Top w0.25: U13.2 9.35,26.02 14.04,21.33 U14.1 ; v1(36.4,66.41) 36.4,65.52 35.64,64.76 35.77,64.63 35.77,32.37 v1(35.26,31.86)
  Bottom w0.25: v1(9.35,33.01) 9.61,32.75 29.67,32.75 30.56,31.86 v1(35.26,31.86) 35.26,31.99 36.91,33.64 41.36,33.64 45.42,29.58 U19.14 ; U17.13 48.1,65.25 47.45,65.9 46.82,65.9 46.18,66.53 36.53,66.53 v1(36.4,66.41)
Net-(U13-Q1): length 119.8
  Top w0.25: v1(34.37,67.93) 34.37,38.97 34.63,38.72 34.63,38.09 33.23,36.69 33.23,28.56 v1(34.63,27.16) ; U13.5 16.97,35.55 17.99,34.53 17.99,22.97 18.12,22.84 18.12,22.61 U14.2
  Bottom w0.25: v1(17.99,27.29) 18.12,27.16 46.06,27.16 46.44,27.54 51.65,27.54 U19.11 ; v1(34.37,67.93) 34.63,67.68 36.4,67.68 36.66,67.42 52.81,67.42 U17.10
Net-(U13-Q2): length 81.1
  Top w0.25: U14.4 22.44,21.84 22.44,22.46 23.2,23.23 23.07,23.35 23.07,32.37 19.51,35.93 U13.6 ; U17.3 45.56,56.13 45.17,55.74 45.29,55.61 45.29,52.06 46.43,50.92 46.43,43.8 43.77,41.13 43.77,40.62 43.9,40.5 43.9,35.42 43.64,35.16 44.01,34.8 44.01,26.64 41.99,24.62 41.99,22.59 42.88,21.7 U19.2
  Bottom w0.25: U14.4 24.34,23.75 24.34,24.37 41.74,24.37 v1(42.12,24.75)
Net-(U13-Q3): length 85.7
  Top w0.25: U19.5 50.5,21.83 50.25,22.08 50.25,24.5 51.63,25.88 51.63,30.74 51.39,30.97 51.52,31.1 51.52,41.14 51.39,41.26 53.8,43.67 53.8,44.05 54.05,44.31 54.05,49.52 53.8,49.77 53.8,53.58 52.79,54.59 52.79,56.5 U17.6 ; U14.5 24.98,21.84 24.98,22.97 25.74,23.73 25.74,34.4 27.13,35.8 U13.9
  Bottom w0.25: U14.5 24.72,21.59 24.72,22.59 25.23,22.59 25.86,23.23 33.23,23.23 33.48,22.97 48.85,22.97 U19.5
Net-(U13-Q4): length 58.6
  Top w0.25: U18.14 45.31,47.72 44.91,48.12 44.91,51.17 43.9,52.18 44.15,52.43 44.15,59.42 43.9,59.67 44.79,60.56 44.79,60.95 45.1,61.26 45.1,62.78 45.56,63.25 U17.14 ; U13.12 27.13,42.4 28.28,41.26 28.28,33.13 27.01,31.86 27.01,31.48 27,31.48 U14.9
  Bottom w0.25: U13.12 28.02,47.99 28.02,48.12 28.15,48.12 29.04,49.01 43.77,49.01 44.41,48.37 44.41,47.76 U18.14
Net-(U13-Q5): length 76.1
  Top w0.25: U14.10 24.46,32.38 22.56,34.28 22.56,34.78 22.18,34.78 20.91,36.05 20.91,42.4 20.15,43.17 20.15,43.93 19.51,44.56 U13.15 ; U18.11 52.53,47.25 52.53,53.96 51.52,54.98 51.77,55.23 51.77,58.15 51.39,58.53 51.77,58.91 51.77,60.82 51.65,60.95 51.65,61.07 52.66,62.09 52.53,62.22 52.53,63.74 53.18,64.39 U17.11
  Bottom w0.25: U13.15 22.31,49.9 50.5,49.9 52.03,48.37 52.03,47.76 U18.11
Net-(U13-Q6): length 66.5
  Top w0.25: U17.2 43.02,56.26 42.5,55.74 42.63,55.61 42.63,52.06 43.9,50.79 43.9,42.78 42.37,41.26 42.37,40.5 42.77,40.1 U18.2 ; U13.16 16.97,42.4 18.12,41.26 18.12,35.67 19.26,34.53 19.26,34.15 19.38,34.03 U14.12
  Bottom w0.25: v1(43.9,44.31) 43.39,44.82 36.66,44.82 36.02,45.45 18.62,45.45 U13.16
Net-(U13-Q7): length 86.8
  Top w0.25: U13.19 9.35,42.66 10.75,41.26 10.75,35.04 10.88,34.91 10.88,34.91 U14.13 ; U17.5 50.64,56.26 50.12,55.74 50.25,55.61 50.25,55.23 51.52,53.96 51.52,43.92 51.26,43.67 51.26,43.29 50.12,42.15 50.39,41.88 U18.5
  Bottom w0.25: U13.19 11.77,44.69 35.64,44.69 36.53,43.8 41.1,43.8 42.12,42.78 50.25,42.78 50.5,42.53 50.39,42.42 U18.5
Net-(U15-Pad3): length 2.5
  Bottom w0.25: U15.3 U15.4
Net-(U15-Pad12): length 22.6
  Top w0.25: 47.71,103.36 47.71,100.44 47.58,100.31 47.71,100.31 49.23,98.79 49.36,98.79 51.01,97.14 51.39,97.14 U15.5
  Bottom w0.25: 57.87,103.36 57.11,104.12 57.11,104.51 56.98,104.51 55.84,105.65 49.74,105.65 48.85,104.76 48.85,104.51 47.71,103.36
Net-(U16-Pad1): length 20.7
  Top w0.25: v1(57.61,84.06) 58.24,84.69 U16.8
  Bottom w0.25: v1(57.61,84.06) 56.6,83.04 45.04,83.04 43,81.01 U16.1
Net-(U16-Pad2): length 13.1
  Bottom w0.25: U16.6 55.2,80.25 55.2,81.14 54.82,81.14 53.93,82.03 53.8,81.9 46.69,81.9 45.54,80.75 U16.2
Net-(U16-Pad3): length 55.2
  Top w0.25: v1(62.57,48.25) 61.68,49.13 61.68,57.52 61.93,57.77 61.93,63.61 61.55,63.99 61.55,70.72 62.44,71.61 62.44,75.93 61.55,76.82 v1(61.55,77.45)
  Bottom w0.25: U16.3 50.12,77.71 50.12,77.71 61.3,77.71 v1(61.55,77.45) ; U23.13 71.08,46.85 71.08,47.48 70.82,47.48 70.06,48.25 v1(62.57,48.25)
Net-(U20-Q0): length 40.5
  Top w0.25: U22.14 71.71,65.64 71.33,66.03 71.33,74.53 69.43,76.44 69.43,84.44 69.42,84.44 69.42,97.78 69.17,98.03 69.17,98.66 68.03,99.81 68.03,101.46 68.3,101.73 U20.15
Net-(U20-Q3): length 66
  Top w0.25: v1(62.82,93.33) 62.82,93.2 63.2,92.82 63.2,92.31 63.84,91.68 63.84,77.07 64.98,75.93 64.98,68.69 64.6,68.31 v1(64.6,67.3) ; U20.12 74.64,102.09 74.12,102.09 73.24,101.2 72.85,101.2 71.84,100.19 71.96,100.06 71.96,91.3 71.84,91.17 72.47,90.54 v1(73.24,90.54)
  Bottom w0.25: v1(73.24,90.54) 65.62,90.54 v1(62.82,93.33) ; v1(64.6,67.3) 72.09,67.3 74.25,65.14 U22.13
Net-(U21-Q0): length 32.3
  Top w0.25: U22.2 69.17,59.29 67.9,60.56 67.9,69.84 67.77,69.96 67.77,76.69 66.88,77.58 66.88,85.71 66.76,85.84 67.27,86.34 67.27,86.73 67.4,86.73 U21.15
Net-(U21-Q3): length 33.3
  Top w0.25: v1(74.5,60.56) 75.39,61.45 75.39,68.82 75.52,68.95 74.38,70.09 74.38,82.53 75.65,83.81 75.65,84.44 75.79,84.58 U21.12
  Bottom w0.25: U22.3 72.98,58.15 72.98,59.04 v1(74.5,60.56)
Net-(U22-I0b): length 50.2
  Top w0.25: U26.15 91.79,87.25 90.38,85.83 90.38,73.9 90.25,73.77 90.38,73.77 v1(91.65,72.5) ; v1(76.16,72.5) 76.16,72.38 77.92,70.62 77.92,60.67 77.81,60.56 77.81,60.31 76.79,59.29 U22.5
  Bottom w0.25: v1(76.16,72.5) 77.3,71.36 83.9,71.36 84.03,71.23 85.81,73.01 85.81,73.14 91.01,73.14 v1(91.65,72.5)
Net-(U22-I0c): length 56.1
  Top w0.25: v1(78.44,74.41) 78.44,71.87 78.31,71.74 78.95,71.11 78.95,64.88 U22.11 ; U25.15 92.67,102.25 92.67,93.33 95.46,90.54 95.46,84.31 95.46,84.31 95.46,84.19 92.92,81.65 92.92,75.68 v1(93.05,75.55)
  Bottom w0.25: v1(78.44,74.41) 81.24,74.41 82.25,75.42 82.38,75.3 91.65,75.3 91.9,75.55 v1(93.05,75.55)
Net-(U22-I1b): length 47.7
  Top w0.25: U26.12 99.41,84.07 99.27,83.93 99.27,83.81 98.13,82.66 v1(98.13,75.93) ; U22.6 79.33,59.29 79.2,59.42 80.47,60.69 80.47,72.5 v1(80.35,72.63)
  Bottom w0.25: v1(98.13,75.93) 96.98,75.93 95.08,74.03 88.22,74.03 88.09,74.15 87.84,73.9 81.62,73.9 v1(80.35,72.63)
Net-(U22-I1c): length 55.8
  Top w0.25: v1(80.35,76.06) 81.49,74.92 81.49,65.9 81.87,65.52 U22.10 ; U25.12 97.87,102.09 97.87,98.92 98,98.79 98,84.31 95.59,81.9 v1(95.59,77.2)
  Bottom w0.25: v1(95.59,77.2) 95.46,77.33 81.87,77.33 80.6,76.06 v1(80.35,76.06)
Net-(U24B-C): length 9.9
  Top w0.25: U23.4 76.66,29.19 U24.11
Net-(U27A-C): length 61
  Top w0.25: U29.6 104.47,9.77 104.22,10.02 104.22,10.4 105.75,11.92 105.75,19.8 v1(106,20.05) ; U27.3 96.72,38.6 96.73,38.59 95.71,37.58 95.71,28.05 96.86,26.91 96.86,26.66 97.11,26.41 U28.3 97.11,19.42 v1(97.11,19.42)
  Bottom w0.25: v1(106,20.05) 105.37,19.42 v1(97.11,19.42)
Net-(U27A-Q): length 16.9
  Top w0.25: v1(100.92,67.3) 100.92,66.66 100.54,66.28 100.54,62.6 101.81,61.33 101.81,60.82 101.81,60.81 U27.5
  Bottom w0.25: v1(100.92,67.3) 98.76,67.3 98.76,67.04 97.62,65.9 97.62,65.41 U27.12
Net-(U27B-Q): length 198.9
  Top w0.25: v1(220.68,72.5) 220.68,62.34 221.06,61.96 221.06,59.55 222.46,58.15 222.46,51.29 221.19,50.02 221.19,35.67 221.06,35.55 221.06,34.78 v1(220.94,34.66) ; U35.12 204.81,33.13 204.55,32.88 204.55,32.37 202.27,30.08 U35.2 ; U35.5 209.89,29.83 210.78,30.72 210.78,31.35 212.3,32.88 212.3,33.13 212.43,33.26 U35.9
  Bottom w0.25: v1(220.94,34.66) 220.17,33.89 213.95,33.89 212.43,35.42 U35.9 211.54,35.04 211.54,34.66 211.16,34.66 210.52,34.02 206.46,34.02 205.95,34.53 205.57,34.53 205.57,35.16 U35.12 ; U27.9 105.37,65.53 105.37,66.03 106.89,67.55 106.89,67.8 108.67,69.58 108.67,69.84 109.94,71.11 109.94,71.23 126.96,71.23 128.99,73.26 138,73.26 139.78,71.49 145.37,71.49 147.02,73.14 170.9,73.14 171.91,72.12 194.01,72.12 194.27,72.38 220.56,72.38 v1(220.68,72.5)
Net-(U28A-Q): length 18.7
  Top w0.25: v1(103.46,35.42) 103.46,29.2 102.06,27.8 102.06,27.29 102.19,27.17 U28.5
  Bottom w0.25: v1(103.46,35.42) 103.21,35.16 99.76,35.16 U28.12
Net-(U29-Pad3): length 15.3
  Top w0.25: U29.5 101.93,10.27 104.47,12.81 U29.9
  Bottom w0.25: U29.3 96.85,7.98 97.62,8.75 100.92,8.75 101.17,8.49 101.3,8.49 101.3,8.12 U29.5
Net-(U31-C4): length 23.9
  Top w0.25: U32.7 183.34,29.7 183.34,29.83 183.22,29.96 183.22,49.77 U31.9
Net-(U31-S1): length 27
  Bottom w0.25: U31.4 174.33,43.55 175.47,44.69 185.63,44.69 185.63,44.56 186.39,43.8 186.65,44.05 190.07,44.05 190.69,44.67 198.35,44.67 199.47,43.55
Net-(U31-S2): length 38.8
  Bottom w0.25: U31.1 167.22,42.91 167.22,42.15 167.34,42.15 168.23,41.26 168.61,41.26 169.5,40.37 169.63,40.5 199.73,40.5 202.01,42.78 U34.4
Net-(U31-S3): length 32.8
  Bottom w0.25: U31.13 174.33,50.4 175.72,49.01 193.25,49.01 194.65,47.61 194.77,47.74 201.63,47.74 202.14,48.25 202.01,48.37 U34.17
Net-(U31-S4): length 27.8
  Top w0.25: 199.47,51.17 199.47,50.4 199.09,50.02 199.09,46.47 v1(199.6,45.96) ; U31.10 181.95,47.36 v1(182.07,47.23)
  Bottom w0.25: v1(182.07,47.23) 182.2,47.36 187.66,47.36 189.31,45.7 199.35,45.7 v1(199.6,45.96)
Net-(U32-S1): length 51
  Top w0.25: 209.63,43.55 209.63,41.26 211.16,39.74 211.16,32.75 208.62,30.21 v1(208.62,29.7)
  Bottom w0.25: v1(208.62,29.7) 195.92,29.7 194.9,28.69 186.65,28.69 185.89,29.44 175.47,29.44 U32.4
Net-(U32-S2): length 67
  Top w0.25: v1(189.95,47.99) 190.33,47.61 190.33,31.99 191.34,30.97 v1(191.34,30.21)
  Bottom w0.25: v1(191.34,30.21) 190.84,29.7 188.17,29.7 187.92,29.96 168.23,29.96 166.72,28.45 U32.1 ; v1(189.95,47.99) 190.58,47.36 193.38,47.36 193.5,47.48 194.14,46.85 206.84,46.85 207.73,47.74 207.73,48.37 209,49.64 209,50.53 209.63,51.17
Net-(U32-S3): length 57.8
  Top w0.25: v1(189.19,34.02) 189.31,34.15 189.31,45.83 188.68,46.47 188.68,51.29 v1(189.31,51.93)
  Bottom w0.25: U32.13 176.26,34.02 v1(189.19,34.02) ; U34.13 210.78,52.56 190.58,52.56 189.95,51.93 v1(189.31,51.93)
Net-(U32-S4): length 36.7
  Top w0.25: v1(212.3,38.09) 212.17,38.21 U34.8
  Bottom w0.25: v1(212.3,38.09) 211.41,37.2 183.47,37.2 183.09,36.81 182.84,36.81 U32.10
Net-(U34-Q0): length 17.7
  Top w0.25: U35.1 199.73,30.59 200.87,31.73 200.87,37.96 199.47,39.36 199.35,39.36 196.81,41.9 196.68,41.9 196.93,42.15 U34.2
Net-(U34-Q1): length 19.7
  Top w0.25: U34.5 204.55,39.99 v1(204.43,39.86) ; U35.4 207.35,29.83 207.09,30.08 207.09,30.34 208.62,31.86 208.49,31.99 v1(208.49,39.1)
  Bottom w0.25: v1(204.43,39.86) 205.19,39.1 v1(208.49,39.1)
Net-(U34-Q2): length 27.3
  Top w0.25: v1(209.63,45.45) 209.51,45.45 209.12,45.83 209.12,46.34 208.24,47.23 208.24,66.66 207.09,67.8
  Bottom w0.25: v1(209.63,45.45) 208.62,45.45 208.24,45.07 207.73,45.07 207.35,44.69 207.35,43.8 U34.6
Net-(U34-Q3): length 25.4
  Top w0.25: U34.9 214.71,46.85 214.46,47.1 215.86,48.5 215.84,48.52 215.84,66.26 215.86,66.28 215.86,66.66 U33.9
Net-(U34-Q4): length 17.7
  Top w0.25: U33.10 213.19,66.79 213.19,66.28 213.3,66.17 213.3,55.5 214.46,54.34 214.46,52.44 214.71,52.18 U34.12
Net-(U34-Q5): length 17.8
  Top w0.25: U33.13 204.55,63.74 204.43,63.61 205.82,62.22 205.82,55.1 207.09,53.83 U34.15
Net-(U34-Q6): length 17.7
  Top w0.25: U35.10 209.89,39.86 208.36,41.39 208.36,45.2 207.6,45.96 207.6,46.47 206.46,47.61 206.2,47.61 204.93,48.88 204.93,49.01 204.43,49.52 204.43,49.77 204.55,49.9 U34.16
Net-(U34-Q7): length 19.8
  Top w0.25: v1(200.62,49.52) 200.49,49.39 200.49,48.25 200.74,47.99 200.74,39.86 202.27,38.34 U35.13
  Bottom w0.25: U34.19 196.93,50.15 198.08,49.01 199.35,49.01 199.85,49.52 v1(200.62,49.52)
unconnected-(U28A-~{Q}-Pad6): length 141.1
  Top w0.25: v1(215.86,45.83) 215.84,45.81 215.84,41.12 215.73,41.01 216.11,40.62 216.11,26.15 215.09,25.13 v1(215.09,23.99)
  Bottom w0.25: v1(211.41,45.58) 214.84,45.58 214.97,45.45 215.35,45.83 v1(215.86,45.83) ; v1(215.09,23.99) 214.97,23.86 174.58,23.86 172.68,25.77 154.39,25.77 153.12,24.5 144.86,24.5 143.85,25.51 141.43,25.51 140.54,24.62 125.05,24.62 123.15,26.53 106.37,26.53 U28.6
